# Altium PCB DemoCatV3.PcbDoc
Units mm, origin at the board's own origin, x right, y up, seen from the top; angles counter-clockwise.
Board outline 54 x 54 mm, 2 copper layers (Top Layer, Bottom Layer); 65 components, 65 nets, 300 pads, 144 vias.
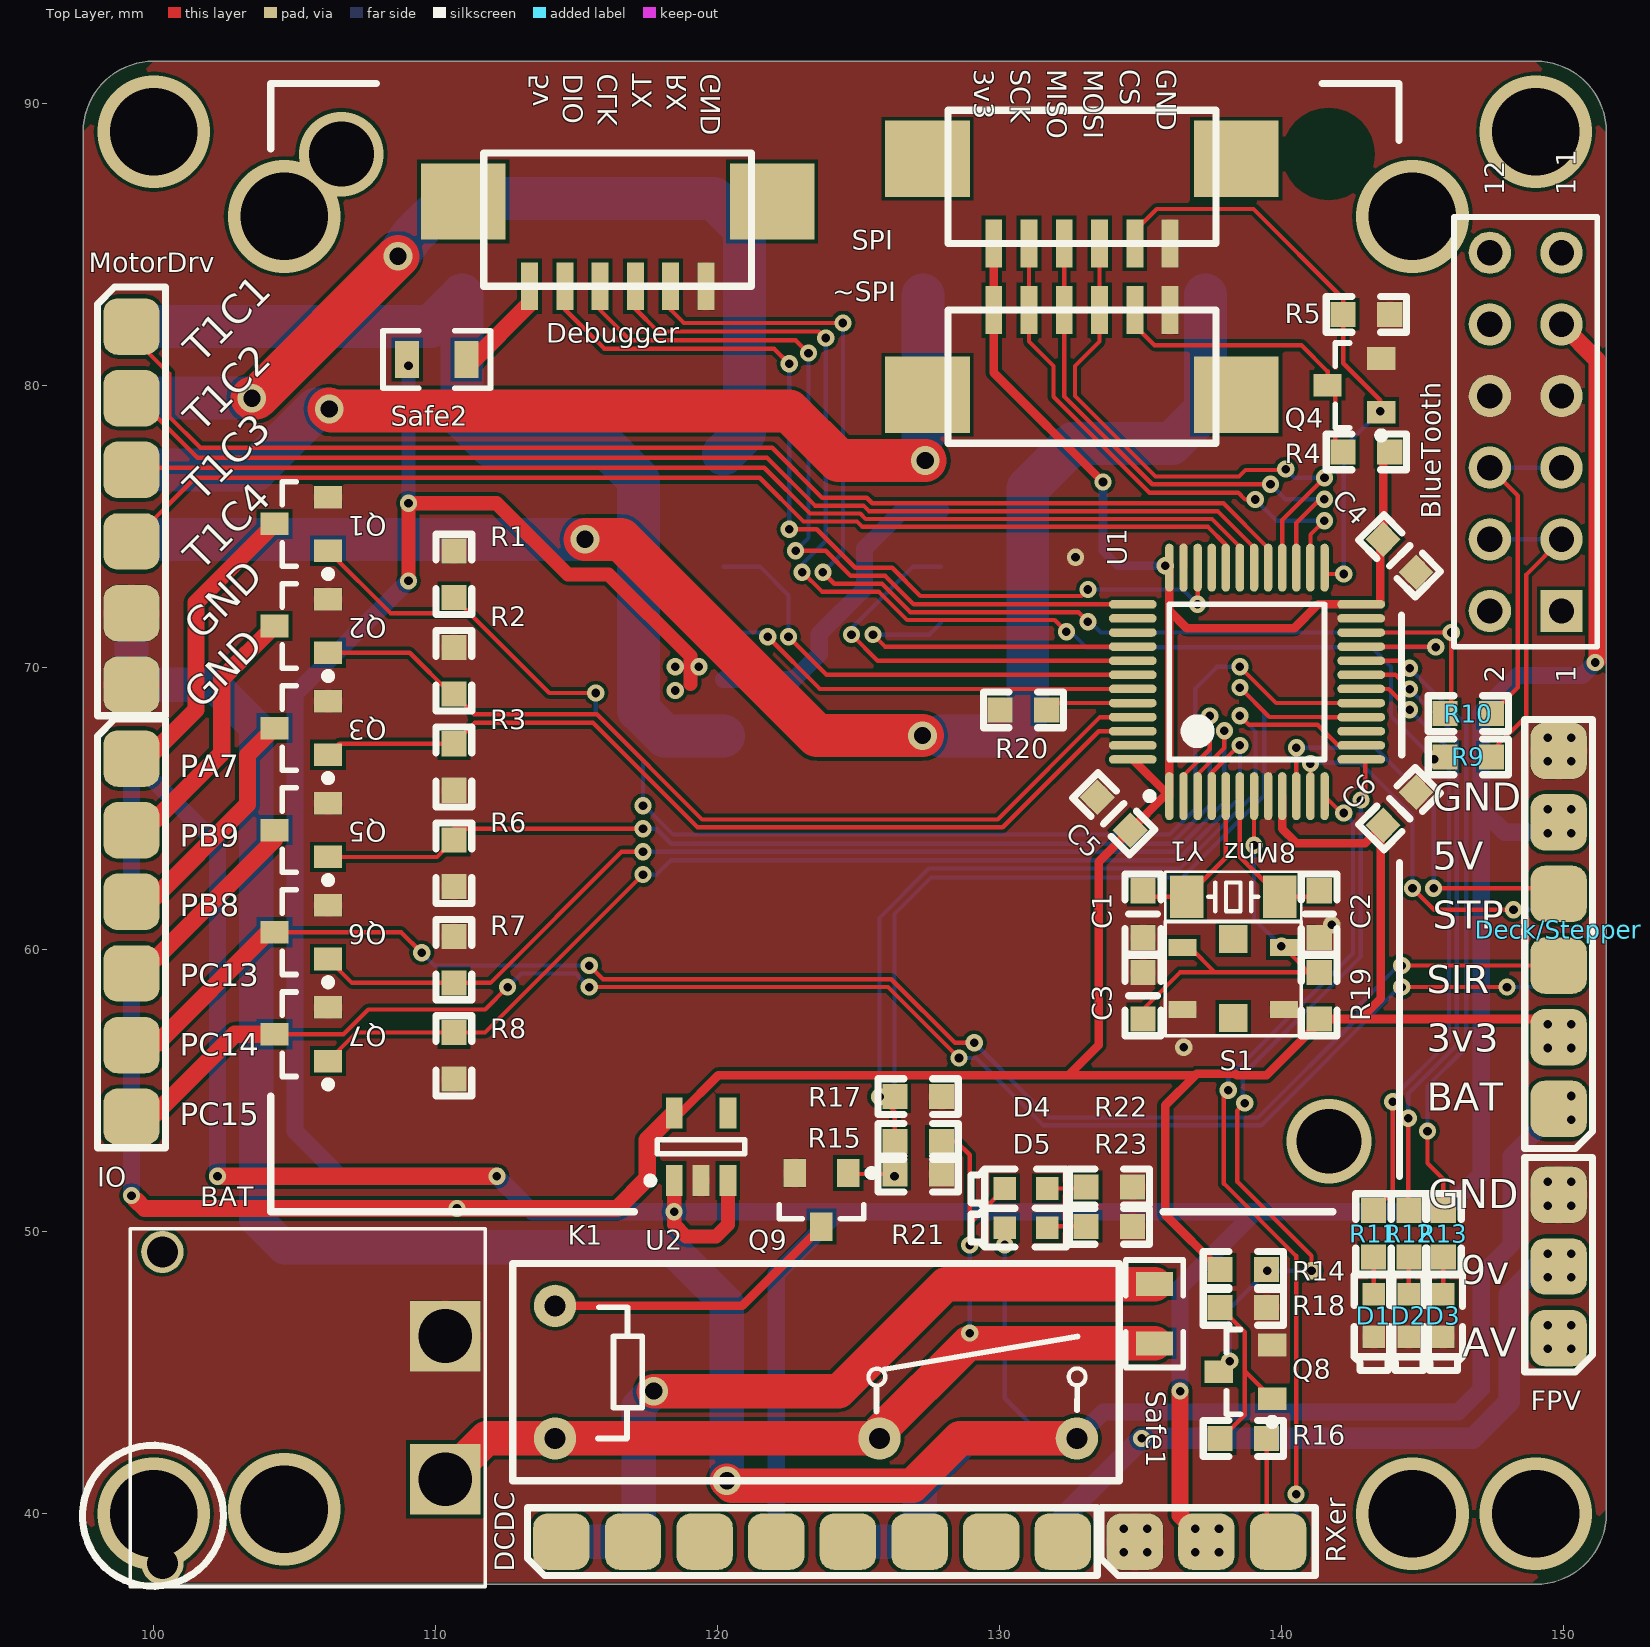
[diagram p0: Top Layer view]
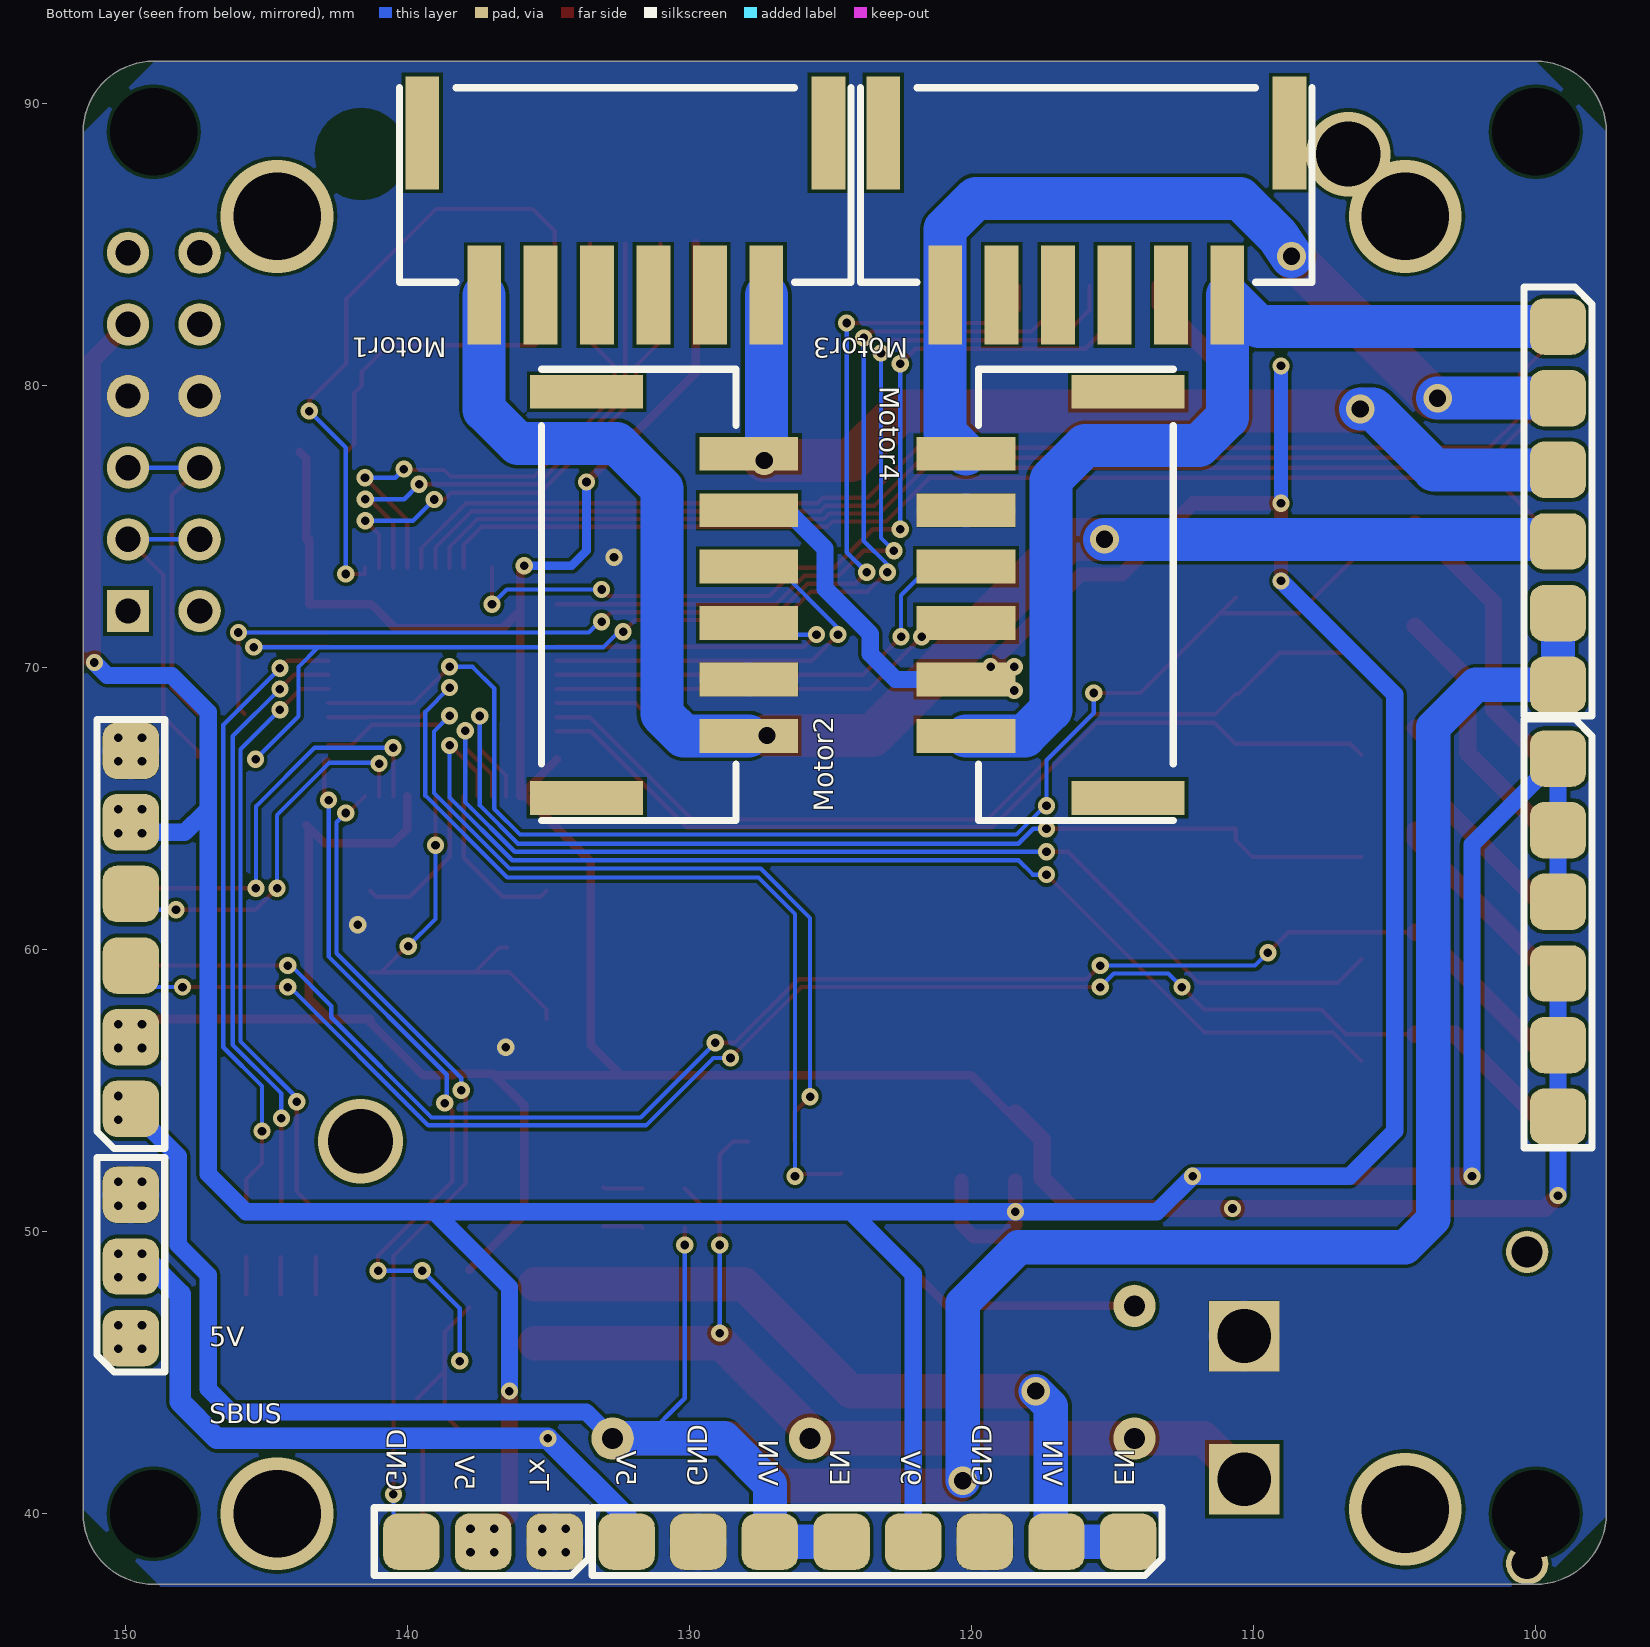
[diagram p1: Bottom Layer view, seen from below]
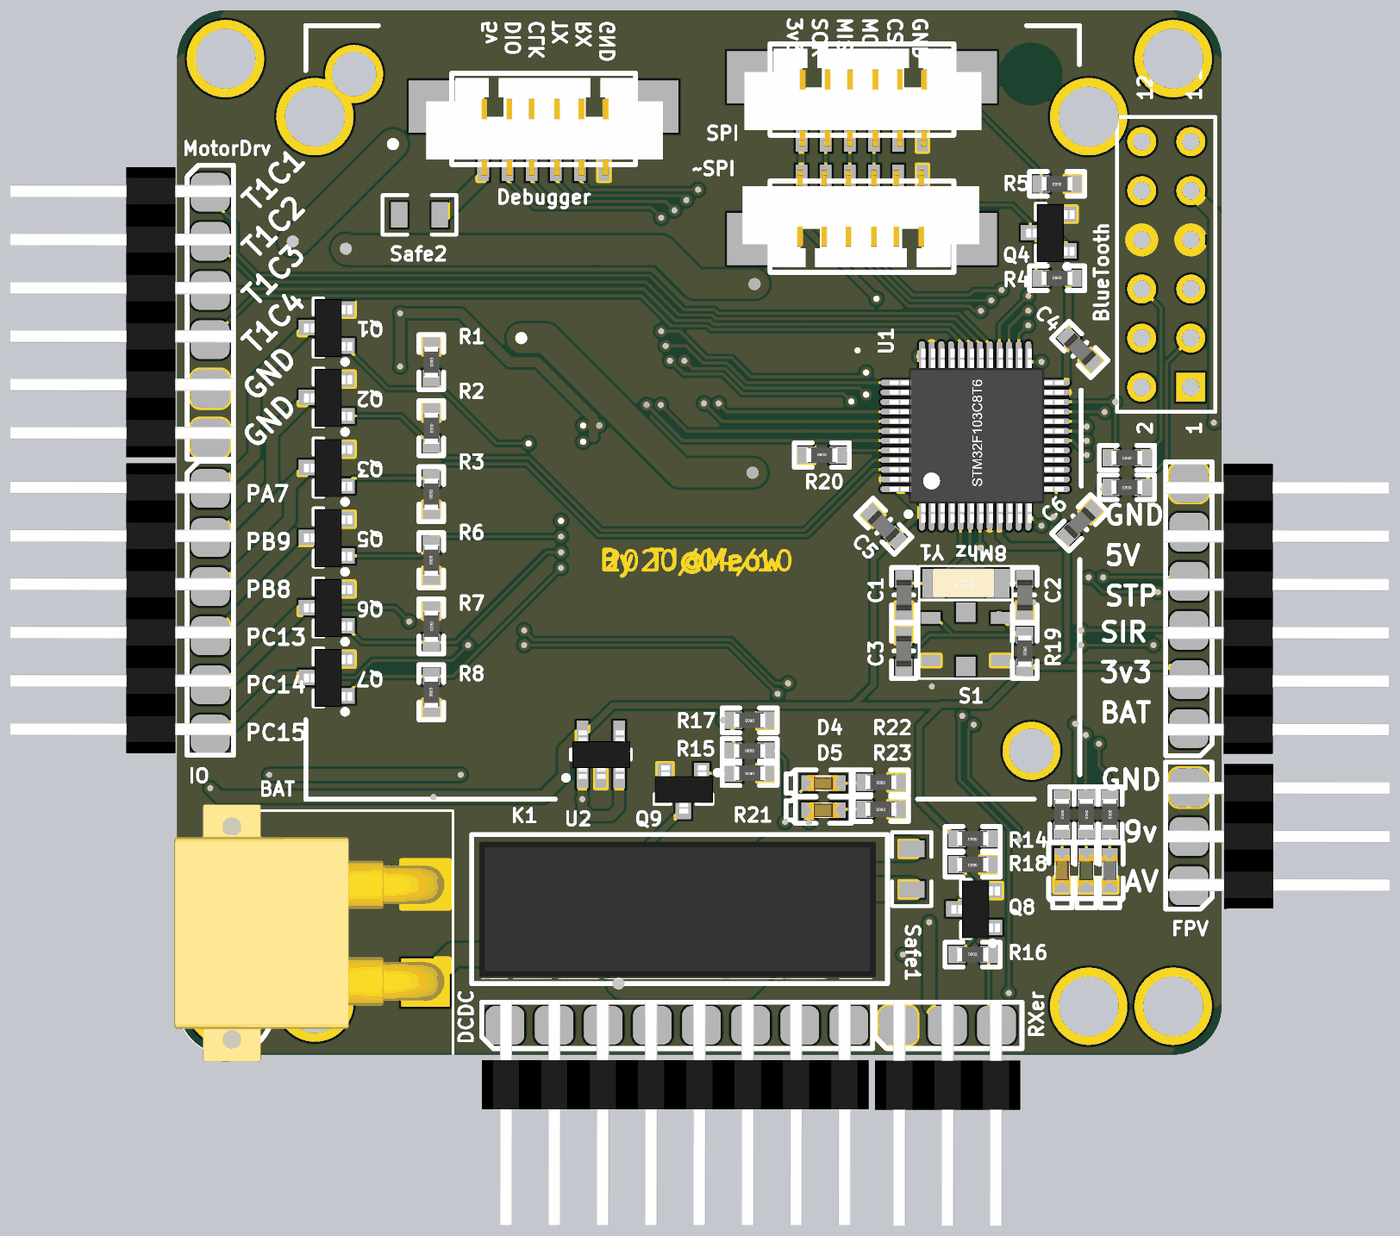
[diagram p2: 3D render of the assembled board from above, using the file's embedded part models]
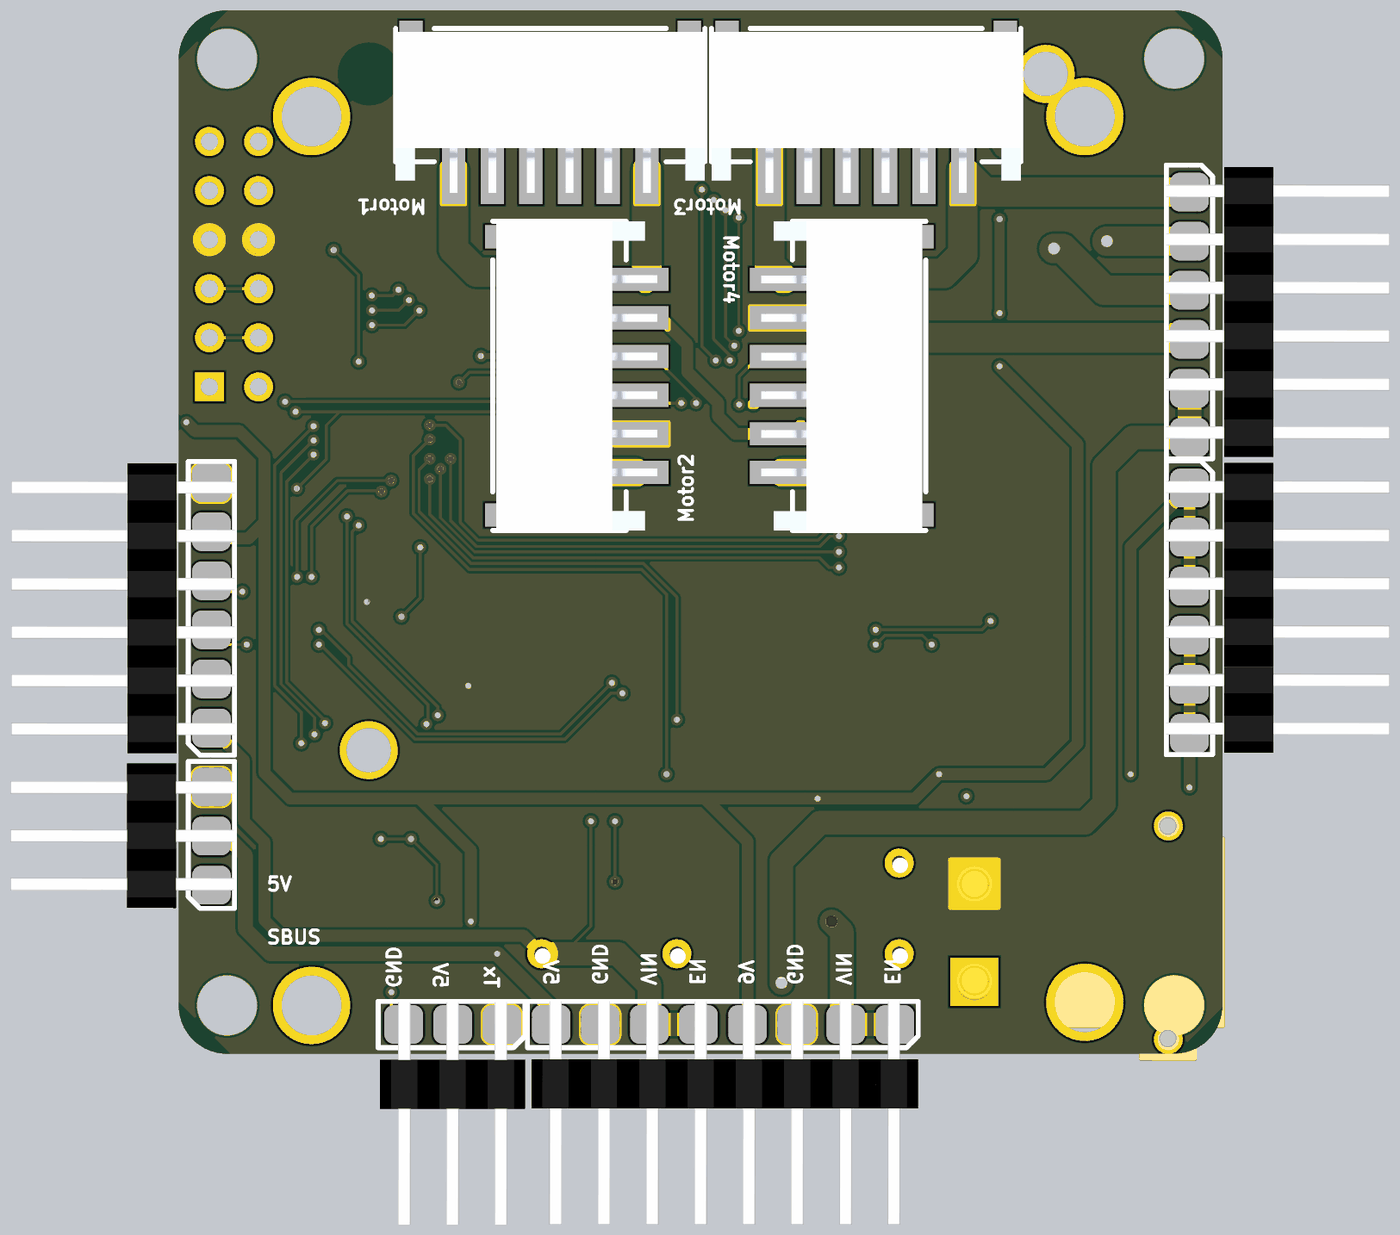
[diagram p3: 3D render of the assembled board from below, using the file's embedded part models]

## Layer stack, top to bottom
Top Solder: solder mask 0.0102, Solder Resist, Dk 3.5
Top Layer: signal copper 0.0356
Dielectric 1: dielectric 0.32, FR-4, Dk 4.8
Bottom Layer: signal copper 0.0356
Bottom Solder: solder mask 0.0102, Solder Resist, Dk 3.5

## Board outline
97.5,40 97.5,89 cw(c100,89) 100,91.5 149,91.5 cw(c149,89) 151.5,89 151.5,40 cw(c149,40) 149,37.5 100,37.5 cw(c100,40)

## Design rules (kind name [scope] priority, off if disabled: settings)
Clearance Clearance_1 [IsRegion] p1: gap=0.127 ignorepadtopadclearanceinfootprint=FALSE
Clearance [All] p2: gap=0.127 ignorepadtopadclearanceinfootprint=FALSE
PolygonConnect [IsVia vs IsVia] p1: connectstyle=Direct reliefconductorwidth=0.254 reliefentries=4 polygonreliefangle="90 Angle" airgapwidth=0.254
RoutingVias [All] p1: holewidth=0.3 width=0.6 viastyle="Through Hole" minholewidth=0.3 minwidth=0.6 maxholewidth=4 maxwidth=6
SolderMaskExpansion [All] p1: expansion=0.102
Width [All] p1: maxlimit=25.4 minlimit=0.127 preferedwidth=0.127
30 further rules are at their usual default settings.

## Components (designator, comment, footprint, x,y, rotation, side; value= is the part's Value field where it differs from the comment)
BAT "XT30" XT30-IN-W 110.338,43.762 r90 top
BlueTooth "Header 6X2" HDR2X6 149.911,72.009 r90 top
C1 "Cap" 0603C 135.073,61.265 r90 top value=20pF
C2 "Cap" 0603C 141.322,61.265 r90 top value=20pF
C3 "Cap" 0603C 135.073,58.369 r270 top value=100nF
C4 "Cap" 0603C 144.17,73.964 r135 top value=100nF
C5 "Cap" 0603C 134.036,64.821 r315 top value=100nF
C6 "Cap" 0603C 144.17,64.999 r225 top value=100nF
D1 "LED0" "0603LED - Red" 143.251,47.015 r270 top
D2 "LED0" "0603LED - Green" 144.501,47.015 r270 top
D3 "LED0" "0603LED - Blue" 145.72,47.015 r270 top
D4 "LED0" "0603LED - Red" 130.912,51.533 r180 top
D5 "LED0" "0603LED - Red" 130.912,50.14 r180 top
DCDC "Header 8X2A" HDR_EDGE_2x8 114.452,39.014 r90 top
Debugger "Header 6" GX1.25_T_6P 116.449,83.522 r0 top
Deck/Stepper "Header 6X2A" HDR_EDGE_2x6 149.809,54.356 r180 top
FPV "Header 3X2A" HDR_EDGE_2x3 149.809,46.228 r180 top
IO "Header 6X2A" HDR_EDGE_2x6 99.212,66.777 r0 top
K1 "Relay" RY-HF46-HS1 114.23,47.372 r270 top
Motor1 "Header 6" PH-PS-2.0-6 140.282,90.56 r180 bottom
Motor2 "Header 6" PH-PS-2.0-6 135.255,64.581 r90 bottom
Motor3 "Header 6" PH-PS-2.0-6 123.938,90.56 r180 bottom
Motor4 "Header 6" PH-PS-2.0-6 112.852,80.581 r270 bottom
MotorDrv "Header 6X2A" HDR_EDGE_2x6 99.212,82.093 r0 top
Q1 "AO3400" SOT-23-MOS 105.232,75.095 r180 top
Q2 "AO3400" SOT-23-MOS 105.232,71.477 r180 top
Q3 "AO3400" SOT-23-MOS 105.232,67.858 r180 top
Q4 "AO3400" SOT-23-MOS 142.57,80.01 r180 top
Q5 "AO3400" SOT-23-MOS 105.232,64.239 r180 top
Q6 "AO3400" SOT-23-MOS 105.232,60.62 r180 top
Q7 "AO3400" SOT-23-MOS 105.232,57.002 r180 top
Q8 "SI2310" SOT-23-MOS 138.708,45.034 r180 top
Q9 "AO3400" SOT-23-MOS 123.673,51.13 r270 top
R1 "Res2" 0603R 110.642,73.304 r270 top value=1K
R2 "Res2" 0603R 110.642,69.891 r270 top value=1K
R3 "Res2" 0603R 110.642,66.477 r90 top value=1K
R4 "Res2" 0603R 142.996,77.648 r0 top value=1K
R5 "Res2" 0603R 142.996,82.525 r180 top value=1K
R6 "Res2" 0603R 110.642,63.063 r90 top value=1K
R7 "Res2" 0603R 110.642,59.649 r270 top value=1K
R8 "Res2" 0603R 110.642,56.236 r90 top value=1K
R9 "Res2" 0603R 146.609,66.836 r180 top value=1K
R10 "Res2" 0603R 146.609,68.368 r180 top value=1K
R11 "10K" 0603R 143.251,49.924 r270 top
R12 "10K" 0603R 144.501,49.924 r270 top
R13 "10K" 0603R 145.72,49.924 r270 top
R14 "Res2" 0603R 138.631,48.659 r180 top value=10K
R15 "Res2" 0603R 127.102,53.198 r0 top value=10K
R16 "Res2" 0603R 138.632,42.672 r0 top value=1K
R17 "Res2" 0603R 127.102,54.788 r180 top value=10K
R18 "Res2" 0603R 138.631,47.32 r180 top value=10K
R19 "10K" 0603R 141.322,58.369 r270 top
R20 "Res2" 0603R 130.835,68.504 r0 top value=10K
R21 "Res2" 0603R 127.102,52.049 r180 top value=1K
R22 "10K" 0603R 133.883,51.583 r180 top
R23 "10K" 0603R 133.883,50.19 r180 top
RXer "Header 3X2A" HDR_EDGE_2x3 134.783,39.014 r90 top
S1 "SW-PB" KeySwitch-3X3 138.274,58.979 r0 top
Safe1 "Res2" 0805R 135.484,47.092 r90 top value=1A
Safe2 "Res2" 0805R 110.033,80.924 r0 top value=1A
SPI "Header 6" GX1.25_T_6P 132.908,85.039 r0 top
U1 "STM32F100C8T6B" LQFN-48 138.76,69.494 r90 top
U2 "RT9013-3.3" SOT-23-5 119.405,53.014 r90 top
Y1 "8Mhz" "OSC 3215-2P" 138.274,61.875 r180 top
~SPI "Header 6" GX1.25_T_6P 132.908,82.677 r180 top
